# Altium PCB hand_main_board_v2.PcbDoc (part 3 of 4)
Units mil, origin at the board's own origin, x right, y up, seen from the top; angles counter-clockwise.
Board outline 2790.09 x 2362.2 mil, 6 copper layers (Top Layer, GND02, 03, 04, PWR05, Bottom Layer), stack 32.112 mil thick; 213 components, 153 nets, 785 pads, 872 vias.
Unrouted connection lines stored in the file: 240.
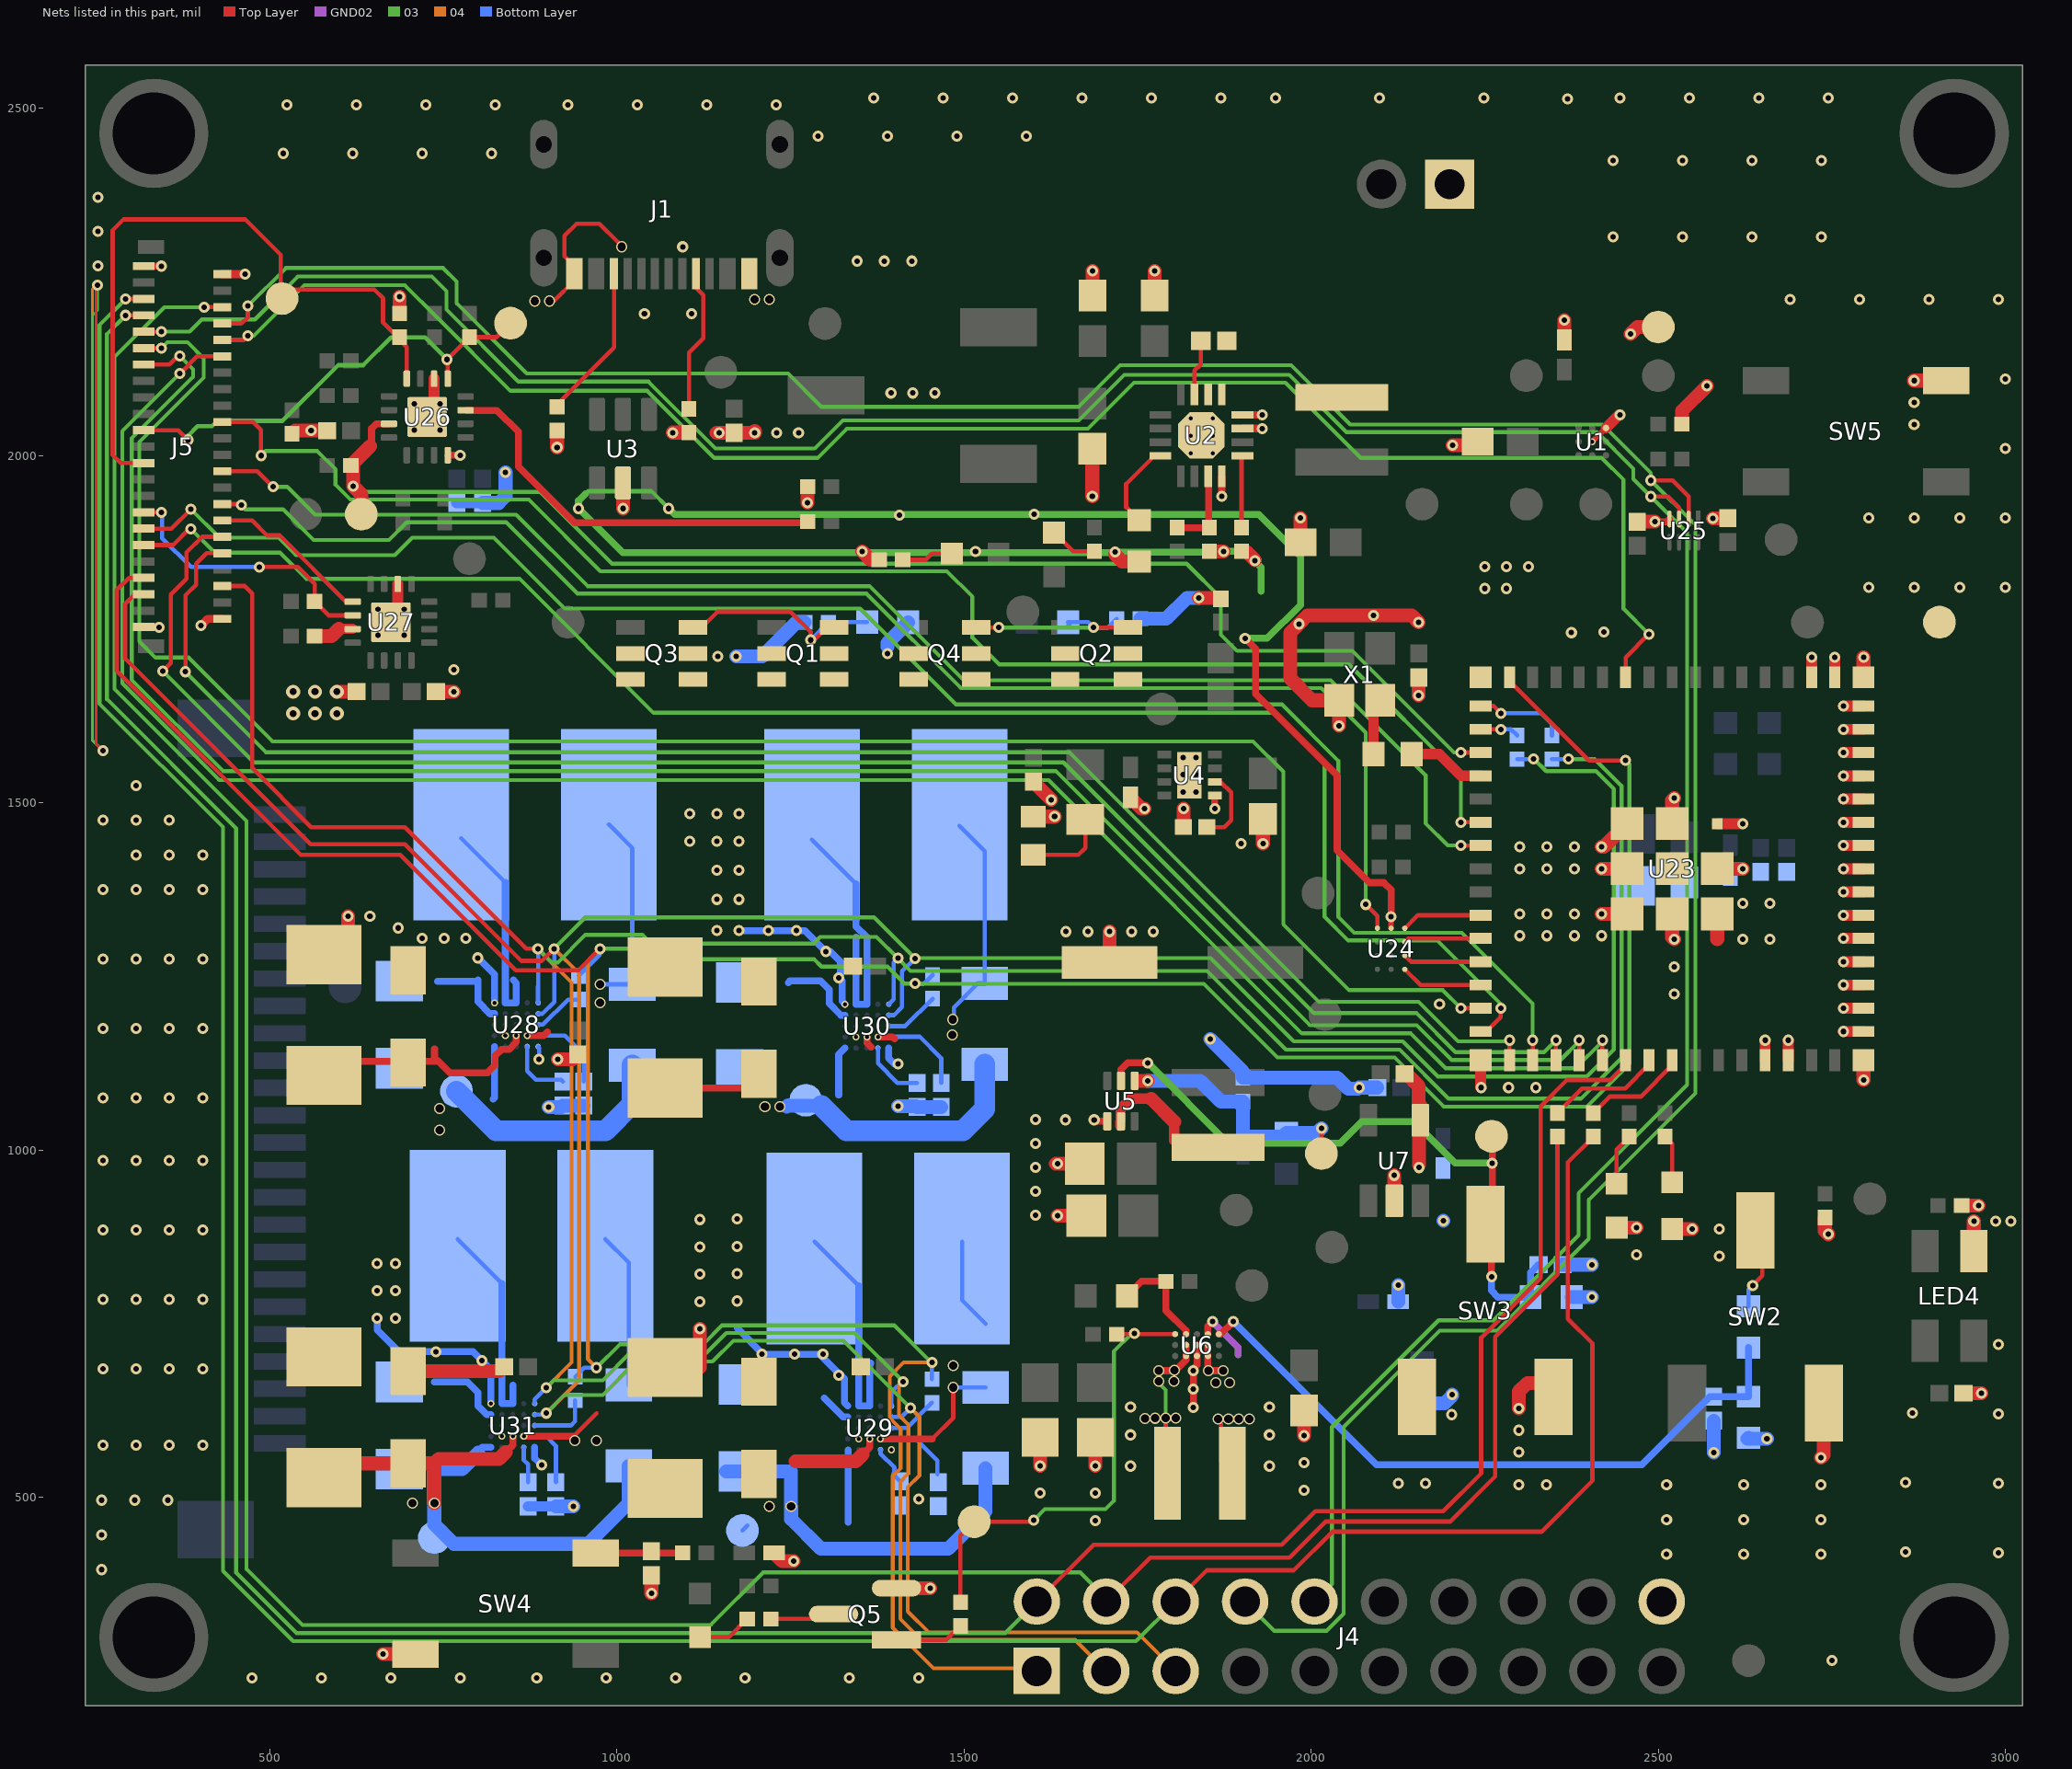
[diagram p7: the nets of this part, all layers, seen from the top]

## Via types
v1: diameter 16, hole 8, Top Layer to Bottom Layer, tented both sides, 757 vias
v2: diameter 10, hole 6, Top Layer to Bottom Layer, tented both sides, 56 vias
v3: diameter 16, hole 12, Top Layer to Bottom Layer, tented both sides, 42 vias
v4: diameter 19.68, hole 7.87, Top Layer to Bottom Layer, 8 vias
v5: diameter 20, hole 10, Top Layer to Bottom Layer, tented both sides, 6 vias
v6: diameter 12, hole 6, Top Layer to Bottom Layer, 2 vias
v7: diameter 16, hole 8, Top Layer to Bottom Layer, 1 vias

## Nets (pads, with @x,y where several pads share a name; then routed paths per layer and width w, separated by ;. In a path a pad name is that pad's centre, name@x,y a point inside that pad or via, vN(x,y) a via of type N, cw(c..) or ccw(c..) an arc to the next point about the centre after c; other vN are vias at no path point) (continued)
FPC_CH101_4_INT: J5.16 U24.D3 | length 2095.7
  Top Layer w6.16: J5.16@430,1930 456.97,1930 456.97,1928.57 457.07,1928.47 v1(459.44,1928.47) ; v1(2078.78,1353.62) 2095.63,1336.78 U24.D3@2095.63,1319.37
  03 w5.61: v1(459.44,1928.47) 465.34,1922.57 519.42,1922.57 563.64,1878.35 672.09,1878.35 697.56,1903.82 841.18,1903.82 943.8,1801.2 1359.74,1801.2 1495.76,1665.19 2014.81,1665.19 2078.78,1601.22 v1(2078.78,1353.62)
FPC_CH101_4_PROG: J5.14 U27.9 | length 236.5
  Top Layer w6.16: J5.14@431.91,1906.57 475,1906.57 496.57,1885 515,1885 610.47,1789.53 U27.9@619.88,1789.53
FPC_CH101_4_RESET: J5.15 R59.1 U27.10 | length 398.6
  Top Layer w6.16: J5.15@318.72,1918.38 v1(344.26,1918.38) ; v1(485.29,1839.44) 540.56,1839.44 565,1815 R59.1@565,1790 585.16,1769.84 U27.10@619.88,1769.84
  Bottom Layer w6.16: v1(344.26,1918.38) 345.48,1917.15 345.48,1880.84 386.88,1839.44 v1(485.29,1839.44)
FPC_CH101_SCL: J4.8 J5.38 U25.2 | length 4483.2
  Top Layer w6.16: J5.38@431.91,2190.03 459.42,2190.03 468.88,2199.49 v1(468.88,2215.31) ; v1(2489.44,1964.14) 2520.86,1964.14 2543.78,1941.22 U25.2@2543.78,1908.63
  03 w5.61: v1(468.88,2215.31) 523.57,2270 750,2270 769.38,2250.62 769.38,2219.23 870.48,2118.13 1246.87,2118.13 1295,2070 1665,2070 1725,2130 1971.31,2130 2056.54,2044.77 2419.56,2044.77 2489.44,1974.89 v1(2489.44,1964.14) 2553.43,1900.15 2553.43,1081.71 2400,928.28 2400,872.05 2267.95,740 2185.48,740 2046.8,601.32 2046.8,332.45 2022.28,307.92 1947.08,307.92 J4.8@1905,350
FPC_CH101_SDA: J4.10 J5.37 U25.3 | length 4391.8
  Top Layer w6.16: J5.37@318.72,2178.22 v1(344.51,2178.22) ; v1(2489.44,1940.97) 2514.03,1940.97 2530,1925 U25.3@2530,1908.63
  03 w5.61: v1(344.51,2178.22) 385,2178.22 402.77,2195.98 479.02,2195.98 540.81,2257.77 733.77,2257.77 755,2236.55 755,2210 858.61,2106.39 1045.87,2106.39 1142.26,2010 1285.18,2010 1325.72,2050.54 1665.54,2050.54 1731.06,2116.06 1968.58,2116.06 2050.99,2033.65 2411.62,2033.66 2464.2,1981.07 2464.2,1966.2 v1(2489.44,1940.97) 2541.54,1888.87 2541.54,1093.96 2385.43,937.85 2385.43,877.48 2262.95,755 2183.74,755 2030.02,601.28 2030.02,375.02 J4.10@2005,350
FPC_KX132_1_CS: J5.36 U23.10 | length 2570.1
  Top Layer w6.16: J5.36@431.91,2166.41 462.81,2166.41 v1(468.88,2172.48) ; U23.10@2453.11,1680.63 2453.11,1709.38 v1(2486.57,1742.84)
  03 w5.61: v1(468.88,2172.48) 477.48,2172.48 550.13,2245.13 694.87,2245.13 740,2200 846.87,2093.13 1044,2093.13 1140.64,1996.48 1289.33,1996.48 1331.53,2038.68 1678.68,2038.68 1745,2105 1963.18,2105 2071.6,1996.57 2418.56,1996.57 2450,1965.13 2450,1779.42 v1(2486.57,1742.84)
FPC_KX132_1_INT1: J5.35 U23.29 | length 2825
  Top Layer w6.16: J5.35@318.72,2154.6 v1(344.51,2154.6) ; v1(2215.7,1204.25) U23.29@2244.45,1204.25
  03 w5.61: v1(344.51,2154.6) 353.02,2163.11 381.89,2163.11 405.28,2139.72 405.28,2112.06 312.58,2019.36 312.58,1732.42 335.93,1709.07 383.82,1709.07 504.38,1588.51 1916.49,1588.51 1960,1545 1960,1325 2054.71,1230.29 2189.67,1230.29 v1(2215.7,1204.25)
FPC_KX132_2_CS: J5.34 U23.35 | length 2958.9
  Top Layer w6.16: v1(370.99,2117.99) 395.78,2142.79 J5.34@431.91,2142.79 ; U23.35@2419.65,1129.45 v1(2419.65,1158.2)
  03 w5.61: v1(370.99,2117.99) 288.14,2035.14 288.14,1672.16 427.55,1532.75 1622.14,1532.75 1986.89,1168 2143.6,1168 2193.86,1117.74 2380.75,1117.74 2419.65,1156.64 v1(2419.65,1158.2)
FPC_KX132_2_INT1: J5.33 U23.34 | length 2920.8
  Top Layer w6.16: J5.33@318.72,2130.98 355.98,2130.98 v1@370,2145 ; U23.34@2386.18,1129.45 v1(2386.18,1158.2)
  03 w5.61: v1(370.77,2143.43) 390,2124.2 390,2113.26 301.51,2024.77 301.51,1677.28 433.04,1545.75 1632.41,1545.75 1998.38,1179.79 2152.21,1179.79 2202.33,1129.66 2359.21,1129.66 2386.18,1156.64 v1(2386.18,1158.2)
FPC_KX132_3_CS: J5.12 U23.33 | length 2515.5
  Top Layer w6.16: v1(346.11,1689.54) 358.05,1701.48 358.05,1800 380.5,1822.45 380.5,1860.5 402.95,1882.95 J5.12@431.91,1882.95 ; U23.33@2352.72,1129.45 v1(2352.72,1158.2)
  03 w5.61: v1(346.11,1689.54) 477.51,1558.14 1643.3,1558.14 2004.28,1197.15 2152.01,1197.15 2208.08,1141.09 2335.61,1141.09 v1(2352.72,1158.2)
FPC_KX132_3_INT1: J5.13 U23.32 | length 2541
  Top Layer w6.16: J5.13@318.72,1894.76 358.85,1894.76 v1(386.86,1922.76) ; U23.32@2319.25,1129.45 v1(2319.25,1158.2)
  03 w5.61: v1(386.86,1922.76) 428.09,1881.53 513.15,1881.53 538.18,1856.5 680.39,1856.5 705.65,1881.75 823.25,1881.75 925.3,1779.7 1350.6,1779.7 1488.74,1641.56 1958.3,1641.56 2039.19,1560.67 2039.19,1335.81 2062.14,1312.86 2217.14,1312.86 2319.25,1210.75 v1(2319.25,1158.2)
FPC_KX132_4_CS: J5.10 U23.31 | length 2362.4
  Top Layer w6.16: v1(378.9,1688.71) 378.9,1798.9 394.11,1814.11 394.11,1844.11 409.32,1859.32 J5.10@431.91,1859.32 ; U23.31@2285.79,1129.45 v1(2285.79,1158.2)
  03 w5.61: v1(378.9,1688.71) 494.71,1572.9 1651.81,1572.9 2011.1,1213.6 2154.88,1213.6 2211.79,1156.69 2284.28,1156.69 v1(2285.79,1158.2)
FPC_KX132_4_INT1: J5.11 U23.30 | length 2431.5
  Top Layer w6.16: J5.11@318.72,1871.13 361.13,1871.13 v1@385,1895 ; U23.30@2244.45,1170.79 2252.68,1170.79 2273.2,1191.3 v1(2273.2,1204.25)
  03 w5.61: v1(386.86,1894.31) 420.98,1860.19 515.19,1860.19 552.84,1822.54 860.23,1822.54 1053.15,1629.62 1946.52,1629.62 2019.39,1556.75 2019.39,1335.89 2053.51,1301.77 2181.85,1301.77 2273.2,1210.43 v1(2273.2,1204.25)
FPC_SPI2_SCLK: J4.3 J5.6 R41.1 U28.E5 U29.E5 U30.E5 U31.E5 | length 5214.8
  Top Layer w6.16: J5.6@431.91,1812.08 464.4,1812.08 475,1801.47 475,1550 560,1465 695,1465 870.08,1289.92 v1(886.41,1289.92)
  03 w5.61: v1(886.41,1289.92) 906.33,1270 915,1270 955,1310 1037.24,1310 1050,1297.24 1283.24,1297.24 1293,1307 1374.17,1307 v1(1405,1276.18) 1423.13,1258.04 1447.5,1258.04 1850.33,1258.03 1963.81,1144.56 2127.71,1144.56 2198.24,1074.02 2388.65,1074.02 2447.24,1132.61 2447.24,1524.28 2408.6,1562.92 v1(2370.63,1562.92) ; v1(898.42,657.64) 909.3,668.53 980,668.53 1019.96,708.49 1129.56,708.49 1157.89,736.81 1342.49,736.81 v1(1412.78,666.53)
  04 w5.61: v1(886.41,1289.92) 935,1241.33 935,694.22 v1(898.42,657.64) ; v1(1412.78,666.53) 1406.39,660.14 1406.39,618.56 1420,604.96 1420,534.18 1408.39,522.57 1408.39,325.01 1438.87,294.53 1660.47,294.53 J4.3@1705,250
  Bottom Layer w6.16: U31.E5@881.94,635 881.94,641.16 v1(898.42,657.64) ; 886.41,1235.49 886.41,1212.55 U28.E5@886.94,1212.02 886.94,1289.39 v1(886.41,1289.92) ; U30.E5@1391.94,1210 1399,1217.06 1399,1270.18 v1(1405,1276.18) ; U29.E5@1395.75,631.5 1395.75,651.5 v1@1412.78,668.53 ; R41.1@2347,1562.92 v1(2370.63,1562.92)
FPC_SPI2_SDI: J4.5 J5.5 R36.1 U28.D5 U29.D5 U30.D5 U31.D5 | length 5402.1
  Top Layer w6.16: J5.5@318.72,1800.27 305.88,1800.27 292.1,1786.49 292.1,1707.52 559.4,1440.22 694.74,1440.22 862.55,1272.42 892.5,1272.42 v1(910,1289.92)
  03 w5.61: v1(898.42,621.2) 924.58,647.37 980,647.37 1028.12,695.49 1138,695.49 1168.08,725.56 1326.28,725.56 v1(1423.21,628.63) ; v1(910,1289.92) 955.06,1334.98 1370.57,1334.98 v1(1430,1275.55) 1430.83,1276.38 1855.25,1276.38 1975.09,1156.54 2132.07,1156.54 2182.78,1105.82 2397.29,1105.82 2436,1144.53 2436,1519.93 2410.3,1545.62 2338.57,1545.62 2321.27,1562.92 v1(2320.37,1562.92)
  04 w5.61: v1(898.42,621.2) 946.08,668.87 946.08,1253.84 v1(910,1289.92) ; v1(1423.21,628.63) 1436,615.84 1436,531.49 1419.21,514.69 1419.21,335.79 1449.4,305.6 1749.4,305.6 J4.5@1805,250
  Bottom Layer w6.16: U31.D5@881.94,619.26 896.47,619.26 v1(898.42,621.2) ; U28.D5@886.94,1196.27 892.99,1196.27 910,1213.28 v1(910,1289.92) ; U30.D5@1391.94,1194.26 1399.26,1194.26 1411,1206 1411,1257.41 1429.14,1275.55 v1(1430,1275.55) ; U29.D5@1395.75,615.75 1410.33,615.75 v1(1423.21,628.63) ; R36.1@2296.74,1562.92 v1(2320.37,1562.92)
FPC_SPI2_SDO: J4.1 J5.7 R62.1 R63.1 R66.1 R67.1 U23.15 | length 5274.1
  Top Layer w6.16: J5.7@318.72,1823.89 297.51,1823.89 280,1806.37 280,1690 545,1425 688.42,1425 854.49,1258.93 944.95,1258.93 v1(975.94,1289.92) ; U23.15@2285.79,1680.63 2285.79,1675.55 2400.34,1561 v1(2453.11,1561)
  03 w5.61: v1(970.94,686.73) 1004.6,720.38 1124.56,720.38 1151.74,747.56 1399.94,747.56 1453.11,694.39 v1(1454.04,694.39) ; v1(975.94,1289.92) 1020,1289.92 1035,1274.92 1284.22,1274.92 1295,1264.14 1389.86,1264.14 1414.2,1239.8 v1(1430,1239.8) ; v1@1430.29,1239.51 1845.58,1239.51 1951.72,1133.37 2120.31,1133.37 2191.07,1062.61 2397.24,1062.61 2458.59,1123.96 2458.59,1555.52 v1(2453.11,1561)
  04 w5.61: v1(970.94,686.73) 958.44,699.23 958.44,1272.42 v1(975.94,1289.92) ; v1(1454.04,694.39) 1413.39,694.39 1393.2,674.2 1393.2,614.03 1409,598.23 1409,542.18 1397.49,530.67 1397.49,312.51 1456.11,253.89 1601.11,253.89 J4.1@1605,250
  Bottom Layer w6.16: R67.1@940.5,673.77 953.46,686.73 v1(970.94,686.73) ; R62.1@945.23,1250.78 975.94,1281.5 v1(975.94,1289.92) ; v1(1430,1239.8) 1442.76,1239.8 R66.1@1455,1252.04 ; R63.1@1454.04,670.26 v1(1454.04,694.39)
FPC_SPI3_SCLK: J4.4 J5.40 R46.2 | length 4493.1
  Top Layer w6.16: v1(406.11,2213.65) J5.40@431.91,2213.65 ; J4.4@1705,350 1768.37,413.37 1969.12,413.37 2020.85,465.11 2200.03,465.11 2265,530.08 2265,731.01 2354.91,820.92 R46.2@2354.91,1019.3
  03 w5.61: v1(406.11,2213.65) 348.65,2213.65 276.79,2141.79 276.79,1664 467,1473.79 467,396.8 547.56,316.24 1135.24,316.24 1210.88,391.88 1667.77,391.88 J4.4@1708.71,350.94
FPC_SPI3_SDI: J4.6 J5.41 R47.2 | length 4581.6
  Top Layer w6.16: v1(292.92,2225.47) J5.41@318.72,2225.47 ; J4.6@1805,350 1850,395 1975,395 2030.53,450.53 2331.75,450.53 2405.22,524 2405.22,721.64 2369.69,757.18 2369.69,982.38 R47.2@2406.61,1019.3
  03 w5.61: v1(292.92,2225.47) 255.15,2187.7 255.15,1642.85 433,1465 433,394.06 534.12,292.94 1747.94,292.94 J4.6@1805,350
FPC_SPI3_SDO: J4.2 J5.39 U23.36 | length 4566.1
  Top Layer w6.16: v1(292.92,2201.85) J5.39@318.72,2201.84 ; J4.2@1605,350 1686.76,431.76 1957.97,431.76 2006.43,480.22 2190.48,480.22 2245,534.73 2245,730 2330.64,815.64 2330.64,1063.05 2368.56,1100.96 2430.96,1100.96 2453.11,1123.11 U23.36@2453.11,1129.45
  03 w5.61: v1(292.92,2201.85) 265.97,2174.89 265.97,1649.03 452,1463 452,391.66 539.12,304.54 1559.54,304.54 J4.2@1605,350
FPC_VL53L1X_1_GPIO1: J5.26 U23.21 | length 2164.8
  Top Layer w6.16: J5.26@431.91,2048.3 476.7,2048.3 487.85,2037.15 v1(487.85,1999.92) ; v1(2215.7,1471.97) U23.21@2244.45,1471.97
  03 w5.61: v1(487.85,1999.92) 494.35,2006.42 568.86,2006.42 595.14,1980.14 595.14,1957.86 616.51,1936.49 873.37,1936.49 976.41,1833.45 1475.57,1833.45 1512.31,1796.71 1512.31,1737.69 1550.78,1699.22 2054.5,1699.22 2215.7,1538.01 v1(2215.7,1471.97)
FPC_VL53L1X_1_XSHUT: J5.25 R61.2 TP31.TP? U26.5 | length 661.9
  Top Layer w6.16: J5.25@318.72,2036.49 368.74,2036.49 v1(382.83,2022.39) ; U26.5@756.76,2110.65 756.76,2137.33 v1(755.77,2138.32) R61.2@787.75,2170.31 ; R61.2@787.75,2170.53 827.23,2170.53 TP31.TP?@847.23,2190.53
  03 w6.16: v1(382.83,2022.39) 382.83,2028.69 396.34,2042.2 417.2,2042.2 425,2050 518.79,2050 598.79,2130 635,2130 675,2170 724.09,2170 v1(755.77,2138.32)
FPC_VL53L1X_2_GPIO1: J5.20 U23.22 | length 2076.3
  Top Layer w6.16: J5.20@431.91,1977.43 482.57,1977.43 v1(505,1955) ; v1(2215.7,1438.5) U23.22@2244.45,1438.5
  03 w5.61: v1(505,1955) 525.49,1955 565.76,1914.74 855.26,1914.74 958.05,1811.95 1364.32,1811.95 1500,1676.26 2028.31,1676.26 2165,1539.57 2165,1470.42 2196.91,1438.5 v1(2215.7,1438.5)
FPC_VL53L1X_2_XSHUT: J5.21 R57.2 TP29.TP? U26.8 | length 992.1
  Top Layer w6.16: J5.21@318.72,1989.24 285.76,1989.24 274.18,2000.82 274.18,2324.28 289.89,2340 465,2340 516,2289 516,2228 527.06,2239.06 650.94,2239.06 663.58,2226.42 663.58,2191.58 684.63,2170.53 R57.2@687.23,2170.53 687.23,2166.71 697.71,2156.24 U26.8@697.71,2110.65
GND: C1.2 C2.2 C3.1 C5.2 C6.1 C7.2 C8.1 C9.2 C10.1 C11.1 C12.1 C13.2 C14.2 C15.2 C16.1 C17.2 C18.2 C20.1 C21.1 C22.1 C23.1 C24.1 C25.1 C48.1 C49.2 C50.2 C51.1 C53.1 C54.1 C55.1 C56.1 C57.1 C58.2 C59.2 C60.2 C61.1 C62.2 C63.2 C64.2 C65.2 C66.1 C67.2 C68.2 C69.1 C70.1 C71.1 C72.1 C75.1 C76.1 C77.2 C78.2 C79.1 C80.1 C81.1 C82.1 C85.1 C86.1 D1.2 D2.2 D3.2 D4.2 J1.A1B12 J1.B1A12 J2.1 J4.20 J5.1 J5.2 J5.44 J5.45 LED4.3 LED5.1 LED6.2 NT1.2 Q5.2 R1.1 R2.1 R4.1 R5.1 R7.2 R8.1 R11.1 R12.1 R15.1 R16.1 R20.2 R21.1 R23.1 R37.1 R38.1 R50.1 R57.1 SW2.3 SW3.3 SW4.3 SW5.3 TP6.TP? TP43.TP? U1.B2 U1.C1 U2.8 U2.11 U2.12 U2.17 U3.2 U4.5 U4.9 U5.4 U6.B1 U6.C2 U6.C3 U7.2 U7.4 U23.1 U23.2 U23.42 U23.43 U23.46 U23.47 U23.48 U23.49 U23.50 U23.51 U23.52 U23.53 U23.54 U23.55 U23.56 U23.57 U23.58 U23.59 U23.60 U23.61 U23.61_1 U23.61_2 U23.61_3 U23.61_4 U23.61_5 U23.61_6 U23.61_7 U23.61_8 U23.62 U23.63 U23.64 U23.65 U24.D2 U25.4 U26.6 U26.16 U26.17 U27.6 U27.17 U28.A5 U28.B2 U28.E1 U29.A5 U29.B2 U29.E1 U30.A5 U30.B2 U30.E1 U31.A5 U31.B2 U31.E1 X1.2 | length 11900.3
  Top Layer w4: v1(252.28,2245.39) 250.39,2245.39 250.39,1584.61 v1(260,1575)
  Top Layer w6: v3(903.35,2222.38) 909.55,2222.38 939.02,2251.84 J1.B1A12@939.02,2261.99 939.02,2272.92 925,2286.94 925,2316.55 942.25,2333.8 975.2,2333.8 1002,2307
  Top Layer w7.7: U24.D2@2115.32,1319.37 v1(2115.32,1336.22)
  Top Layer w8: v2(2405,2019.99) U1.C1@2424.68,2039.69
  Top Layer w10: J5.45@318.72,2272.71 v1(344.51,2272.71) ; U26.16@756.76,2000.41 v1(774.49,2000.41) ; v1@1687.68,1041.49 U5.4@1706.58,1041.49 ; C22.1@1689.46,586.26 C22.1@1691.26,586.26 ; v1@1829.57,682.42 1829.57,684.61 1835.75,690.78 U6.C3@1835.75,703.56 U6.C2@1835.75,719.31 ; v1(1830.57,629.42) v1(1830.57,682.42) ; U6.B1@1851.5,735.06 1851.5,746.5 v1(1858,753) ; v1(1861.42,1491.8) U4.5@1861.42,1510.31 ; v1(1904.9,1736.71) 1920,1721.61 1920,1657.01 2037.4,1539.61 2037.4,1432.03 2084.43,1385 2105,1385 2115.32,1374.69 v1(2115.32,1336.22) ; C17.2@1976.5,638.39 C17.2@1990,624.88 ; v1(2495.2,1904.65) 2512.23,1904.65 U25.4@2516.22,1908.63
  Top Layer w11.02: v1(1871.53,1941.22) U2.8@1871.53,1969.96 ; U2.11@1901.06,2038.86 v1(1929.81,2038.86) ; U2.12@1901.06,2058.54 v1(1929.81,2058.54)
  Top Layer w11.81: J5.1@318.72,1753.02 340.35,1753.02 v1(341,1752.37) ; v1(401.5,1755.17) 411.17,1764.84 J5.2@431.91,1764.84 ; J5.44@431.91,2260.9 464.4,2260.9 v1(464.64,2261.14)
  Top Layer w15.75: U27.17@675,1760 684.84,1769.84 U27.6@684.84,1815.12 ; U26.17@727.23,2055.53 737.08,2065.37 U26.6@737.08,2110.65 ; U23.64@2244.45,1129.45 2244.45,1090.55 v1(2245,1090) ; U1.C1@2424.68,2039.69 2443.32,2058.32 v1(2445.19,2058.32) ; U23.61_1@2585,1470 v1(2621.62,1470) ; U23.42@2653.9,1129.45 v1(2653.9,1158.2) ; U23.43@2687.36,1129.45 v1(2687.36,1158.2) ; U23.2@2720.83,1680.63 v1(2720.83,1709.38) ; U23.1@2754.29,1680.63 v1(2754.29,1709.38) ; v1(2766.88,1170.79) U23.46@2795.63,1170.79 ; v1(2766.88,1204.25) U23.47@2795.63,1204.25 ; v1(2766.88,1237.72) U23.48@2795.63,1237.72 ; v1(2766.88,1271.18) U23.49@2795.63,1271.18 ; v1(2766.88,1304.65) U23.50@2795.63,1304.65 ; v1(2766.88,1338.11) U23.51@2795.63,1338.11 ; v1(2766.88,1371.57) U23.52@2795.63,1371.57 ; v1(2766.88,1405.04) U23.53@2795.63,1405.04 ; v1(2766.88,1438.5) U23.54@2795.63,1438.5 ; v1(2766.88,1471.97) U23.55@2795.63,1471.97 ; v1(2766.88,1505.43) U23.56@2795.63,1505.43 ; v1(2766.88,1538.9) U23.57@2795.63,1538.9 ; v1(2766.88,1572.36) U23.58@2795.63,1572.36 ; v1(2766.88,1605.83) U23.59@2795.63,1605.83 ; v1(2766.88,1639.29) U23.60@2795.63,1639.29
  Top Layer w20: R50.1@532.23,2031.17 536.86,2035.79 C66.1@582.87,2035.79 v1(559.86,2035.79) ; v5@597.36,1660 C65.2@625.35,1660 ; D2.2@613.17,1279.36 v1(613.17,1336.86) ; v1(663.7,274.31) SW4.3@710.16,274.31 ; R57.1@687.23,2204.61 v1(687.23,2228.75) ; C78.2@699.43,681.73 831.29,681.73 C82.1@837.78,688.22 ; C63.2@739.65,1660 v1(765.64,1660) ; v1(914.17,2011.78) R5.1@914.17,2035.92 ; v1(915,1130.59) 937.09,1130.59 C71.1@944.17,1137.68 ; v1(1009.17,1923.77) U3.2@1009.17,1960.59 ; v1(1050,361.69) C50.2@1050,387.68 ; v1(1080.54,2032.96) R4.1@1104.17,2032.96 ; D1.2@1120,687.01 v1(1120,742.51) ; v1@1143.97,2032.68 C6.1@1169.17,2032.68 1198.61,2032.68 v1(1198.89,2032.96) ; v1@1197.71,2034.14 v1@1198.89,2035.32 ; C49.2@1226.46,420 1238.46,408 v1(1255.01,408) ; v1(1274.89,1932.18) 1275,1932.29 R11.1@1275,1955 ; v1(1353.83,1861.76) 1365.59,1850 R12.1@1377.96,1850 ; Q5.2@1403.06,369.35 v1(1451.59,369.35) ; C11.1@1600,1480.12 v1(1630.72,1480.12) ; C10.1@1600,1530.35 1625.72,1504.64 v1(1625.72,1504.36) ; v1(1610,545.5) C23.1@1610,586.26 ; v1@1632.32,980.63 C20.1@1673.86,980.63 ; v1(1634.92,905.63) C21.1@1676.46,905.63 ; v1(1685,1941.22) C2.2@1685,2009.88 ; C1.2@1685.18,2230.1 v1(1685.18,2265.9) ; v1(1689.46,545.5) C22.1@1689.46,586.26 ; C14.2@1709.77,1270 1709.77,1314.37 v1(1709.95,1314.55) ; v1@1717.55,1857.97 1728.12,1847.41 R1.1@1752.48,1847.41 ; C12.1@1740,1507.71 1755.91,1491.8 v1(1760,1491.8) ; C3.1@1775,2230.12 v1(1775,2265.92) ; C13.2@1816.25,1465 v1(1816.25,1491.8) ; v1(1838.23,1795) 1868.75,1795 C9.2@1870,1793.75 ; R7.2@1853.74,1862.07 1873.78,1862.07 v1(1873.9,1861.94) ; R8.1@1900,1862.07 1906.65,1862.07 v1@1919.21,1849.51 ; v1(1930.75,1441.21) C15.2@1930.75,1477.01 ; C7.2@1984.88,1875 v1(1984.88,1910) ; v1(1990,589.08) C17.2@1990,624.88 ; v1(2040.47,1610.98) X1.2@2040.47,1647.6 2001.29,1647.6 1970,1678.89 1970,1745 v1(1982.5,1757.5) 1995,1770 v1(2090,1770) 2145,1770 v1(2155,1760) ; U7.2@2120,926.93 v1(2120,963.55) ; C55.1@2134.65,1110 2137.4,1110 2155,1092.4 2155,1066.69 2157.4,1064.29 U7.4@2157.4,1043.07 2155,1040.67 2155.44,1040.22 v1@2155.44,978.65 ; v1(2155,1654.36) C51.1@2155,1680.35 ; v1(2204.08,2015) 2234.88,2015 C5.2@2239.88,2020 ; v1(2299.44,628.09) 2299.43,652.52 2311.69,664.78 SW3.3@2359.43,664.78 ; C8.1@2365,2166.46 v1(2365,2195.01) ; v1(2418.46,1340.08) U23.61_5@2455.08,1340.08 ; v1(2418.46,1405.04) U23.61_6@2455.08,1405.04 ; v1(2418.46,1436.54) 2421.62,1436.54 U23.61_7@2455.08,1470 ; LED5.1@2440.14,888.53 v1(2468.88,888.53) ; v1(2460,2175) 2470,2185 TP6.TP?@2500,2185 ; C58.2@2470,1904.65 v1(2495.2,1904.65) ; LED6.2@2520,886.5 v1(2548.75,886.5) ; U23.61_4@2520.04,1340.08 2520.04,1306.46 v1(2523.04,1303.46) ; U23.61_8@2520.04,1470 2520.04,1503.62 v1(2523.04,1506.62) ; R2.1@2534.08,2045 2534.08,2064.08 v1(2570,2100) ; v1(2578.54,1909.41) 2599.41,1909.41 C54.1@2600,1910 ; 2585,1303.46 U23.61_3@2585,1340.08 ; U23.61_2@2585,1405.04 v1(2621.62,1405.04) ; v1(2734.43,557.3) 2738.42,561.29 SW2.3@2738.42,635.78 ; R37.1@2740,902.96 2740,883.82 v1(2745,878.82) ; SW2.3@2748.42,635.78 SW2.3@2748.42,655.78 ; v1(2795.63,1100.7) U23.65@2795.63,1129.45 ; U23.62@2795.63,1680.63 v1(2795.63,1709.38) ; v1(2868.46,2107.84) SW5.3@2914.92,2107.84 ; R38.1@2937.04,920 v1(2961.17,920) ; C48.1@2939.65,650 v1(2965.64,650) ; LED4.3@2954.54,854.47 v1(2954.54,897.88)
  GND02 w10: v1(1858,753) 1895,716 1895,705
  03 w4: v1(252.28,2245.39) 252.28,2208.97 244.94,2201.63 244.94,1590.06 v1(260,1575)
  03 w6: 955,1945 958.59,1948.59 1050.18,1948.59 v1(1075,1923.77)
  03 w10: 955,1945 945,1935 v1(945,1923.77) 1008.77,1860 1717.55,1860 1718.46,1860.91 1872.87,1860.91 v1(1873.9,1861.94) 1904.74,1861.94 1927.85,1838.84 1927.85,1804.27 ; v1(1075,1923.77) 1083.77,1915 1925,1915 1984.88,1855.12 1984.88,1784.88 1936.71,1736.71 v1(1904.9,1736.71)
  04 w4: v1(252.28,2245.39) 250.39,2245.39 244.94,2239.94 244.94,1590.06 v1(260,1575)
  Bottom Layer w4: v1(252.28,2245.39) 250.39,2245.39 244.94,2239.94 244.94,1590.06 v1(260,1575)
  Bottom Layer w6: U28.A5@886.94,1149.03 888.24,1147.73 v1(888.24,1130.59)
  Bottom Layer w10: v1(655,757.85) 655,741 686.19,709.81 793.19,709.81 818.95,684.05 v2(818.95,635) ; v1(800,1276.71) 823.95,1252.77 v2(823.95,1212.02) ; U31.A5@881.94,572.01 881.94,556.59 v1(891.94,546.59) ; 1173.51,743.37 1210.88,706 1292.51,706 1319.65,678.86 v1(1319.65,675.8) 1322.71,675.8 1328,670.51 1328,636.25 U29.E1@1332.76,631.5 ; v1(1175.96,1315.9) v1(1218.56,1315.9) v1(1259.1,1315.9) 1271.1,1315.9 v1(1301,1286) 1307.59,1286 1322,1271.59 1322,1250.42 v1(1319.79,1248.2) 1324.57,1243.42 1324.57,1214.39 v2(1328.95,1210) ; U30.A5@1391.94,1147.01 1391.94,1132.44 1400.46,1123.93 v1(1405.46,1123.93)
  Bottom Layer w15: C86.1@872.43,487.08 C80.1@912.43,487.08
  Bottom Layer w15.75: C64.2@769.6,1931.75 C62.2@807.01,1931.75
  Bottom Layer w20: C62.2@807.01,1931.75 830.16,1931.75 839.96,1941.55 v1(839.96,1975.6) ; v1(902.22,1062) 920.33,1062 C75.1@922.43,1064.1 C69.1@952.43,1064.1 ; C80.1@912.43,487.08 v1(937.63,487.08) ; v1(1172.03,1711) 1210,1711 1259,1760 R15.1@1270.92,1760 ; v1(1405.46,1063.27) 1431.24,1063.27 C85.1@1432.43,1062.08 C79.1@1467.43,1062.08 ; R16.1@1754.08,1765 1791.46,1765 1821.46,1795 v1(1838.23,1795) ; v1(1855,1160) 1902,1113 R23.1@1902,1104.08 2037.7,1104.08 2053.55,1088.24 2067.6,1088.24 v1(2069.36,1090) C59.2@2095.35,1090 ; C24.1@2125.52,781.93 v1(2125.52,805.56) ; v1@2190.42,898.07 v1(2190.46,898.11) ; C18.2@2362.32,835 v1(2404.32,835) ; R21.1@2375.44,788.31 v1(2404.32,788.31) ; v1(2580,564.36) C16.1@2580,610.35 ; R20.2@2630,585.68 2628.68,584.36 v1(2656.49,584.36)
  other v1: 475,240 575,240 675,240 775,240 885,240 985,240 1085,240 1185,240 1335,240 1435,240 2750,265 258,396 2512.09,417.93 2623.26,417.93 2734.43,417.93 2990,420 2855.93,421.68 258,446 1689.46,466.76 2512.09,467.96 2623.26,467.96 2734.43,467.96 258,496 305.91,496 353.83,496 1435.11,497.55 1610,506.13 1689.46,506.13 1990,510.34 2299.43,517.93 2338.8,517.93 2512.09,518 2623.26,518 2734.43,518 2125.63,520 2165,520 2990,520 2855.93,521.68 1740,545 1940,545 1990,549.71 2299.43,565.17 260,575 307.91,575 355.83,575 403.74,575 1740,590 1940,590 2299.43,596.67 2990,620 2865.93,621.68 1740,630 1940,630 1830.57,655.92 260,685 307.91,685 355.83,685 403.74,685 806.07,696.93 1209.35,706 1256,706 1297,706 739.69,709.81 2990,720 681.5,757.85 1120,781.88 1173.51,782.74 260,785 307.91,785 355.83,785 403.74,785 655,797.39 681.5,797.39 1120,821.25 1173.51,822.11 655,836.93 681.5,836.93 2588.12,847.13 2468.88,849.16 1120,860.62 1173.51,861.48 260,885 307.91,885 355.83,885 403.74,885 2588.12,886.5 2986.04,897.88 3007.54,897.88 1120,899.99 1173.51,900.85 1603,906 1603,940.5 1603,975 2155.44,974.82 1634.92,980.63 260,985 307.91,985 355.83,985 403.74,985 1603,1009.5 1603,1044 1646.34,1043.63 1687.68,1043.63 260,1075 307.91,1075 355.83,1075 403.74,1075 2284.37,1090 2323.74,1090 260,1175 307.91,1175 355.83,1175 403.74,1175 2185,1210 2523.04,1224.72 2523.04,1264.09 260,1275 307.91,1275 355.83,1275 403.74,1275 2621.62,1303.46 2660.99,1303.46 720,1305 751.5,1305 783,1305 2300.35,1308.58 2339.72,1308.58 2379.09,1308.58 2418.46,1308.58 1646.95,1314.55 1678.45,1314.55 1741.45,1314.55 1772.95,1314.55 1144.46,1315.9 685.36,1319.8 644.67,1336.86 2300.35,1340.08 2339.72,1340.08 2379.09,1340.08 2621.62,1355.04 2660.99,1355.04 1144.46,1360.9 1175.96,1360.9 260,1375 307.91,1375 355.83,1375 403.74,1375 1144.46,1402.9 1175.96,1402.9 2300.35,1405.04 2339.72,1405.04 2379.09,1405.04 307.91,1425 355.83,1425 403.74,1425 2300.35,1436.54 2339.72,1436.54 2379.09,1436.54 1899.25,1441.21 1105.09,1444.9 1144.46,1444.9 1175.96,1444.9 260,1475 307.91,1475 355.83,1475 1105.09,1484.27 1144.46,1484.27 1175.96,1484.27 1815.91,1515.77 1834.18,1515.77 307.91,1525 1815.91,1540.59 1834.18,1540.59 1815.91,1565.42 1834.18,1565.42 765.64,1691.5 1145.53,1711 2375,1745 2421.77,1745.7 2250,1808.5 2281.5,1808.5 2803.15,1810 2868.77,1810 2934.38,1810 3000,1810 2250,1840 2281.5,1840 2313,1840 1919.21,1848.43 1717.55,1860.97 1516.81,1861.76 2803.15,1910 2868.77,1910 2934.38,1910 3000,1910 1407.27,1914.37 1601.05,1915.35 3000,2010 1147.72,2032.68 1230.39,2032.96 1261.89,2032.96 2868.46,2044.84 2868.46,2076.34 1395,2090 1426.5,2090 1458,2090 3000,2110 1040,2203.93 1108.03,2203.93 2690,2225 2790,2225 2890,2225 2990,2225 253,2273 1346.26,2280 1385.63,2280 1425,2280 1095,2300.52 2435,2315 2535,2315 2635,2315 2735,2315 253,2322.5 253,2372 2435,2425 2535,2425 2635,2425 2735,2425 520,2435 620,2435 720,2435 820,2435 1290,2460 1390,2460 1490,2460 1590,2460 525,2505 625,2505 725,2505 825,2505 930,2505 1030,2505 1130,2505 1230,2505 2369.58,2513.45 1370,2515 1470,2515 1570,2515 1670,2515 1770,2515 1870,2515 1948.74,2515 2098.74,2515 2248.74,2515 2445,2515 2545,2515 2645,2515 2745,2515
  other v2: 1395.75,568.5 1348.5,584.25 834.7,587.76 1344.7,1162.76 839.7,1164.78 1826.72,2003.31 1858.22,2003.31 1826.72,2028.4 1858.22,2028.4 1826.72,2053.49 1858.22,2053.49
  other v3: 881.85,2222.38 1198.5,2225 1220,2225 1007.43,2300.52
  other v4: 656.3,1741.3 693.7,1741.3 656.3,1778.7 693.7,1778.7 708.53,2036.83 745.93,2036.83 708.53,2074.23 745.93,2074.23
  other v5: 534,1628.5 565.5,1628.5 597,1628.5 534,1660 565.5,1660 597,1660
NetC4_1: C4.1 U2.15 | length 80.7
  Top Layer w6.16: U2.15@1832.16,2088.07 1832.16,2122.16 1841.16,2131.16 C4.1@1841.16,2165
NetC4_2: C4.2 L1.1 U2.13 U2.14
NetC11_2: C11.2 R17.1 | length 120.3
  Top Layer w6.16: C11.2@1600,1425 1664.85,1425 1675,1435.15 R17.1@1675,1476.26
NetC13_1: C13.1 U4.6 | length 108.9
  Top Layer w6.16: C13.1@1850,1465 1875,1465 1885,1475 1885,1515 1870,1530 U4.6@1861.42,1530
NetC19_2: C19.2 R22.1 R23.2 TP16.TP? U5.1 | length 367.1
  Top Layer w6.16: TP16.TP?@2015,995 v1(2015,1031.62)
  Top Layer w20: U5.1@1751.85,1099.76 v1(1764.86,1099.76)
  Bottom Layer w20: v1(1764.86,1099.76) 1840.24,1099.76 1870,1070 R23.2@1902,1070 C19.2@1902,1019.2 1958.78,1019.2 R22.1@1964.6,1025.03 ; R22.1@1965.62,1024.89 2008.27,1024.89 v1(2015,1031.62)
NetC50_1: C50.1 R40.1 SW4.2 | length 126.9
  Top Layer w10: SW4.2@970,420 1047.68,420 C50.1@1050,422.32 1052.32,420 R40.1@1095,420
NetC52_1: C52.1 X1.3 | length 81.6
  Top Layer w15: C52.1@2089.88,1570 2089.88,1637.95 X1.3@2099.53,1647.6
NetC52_2: C52.2 U23.19 | length 112.3
  Top Layer w15: C52.2@2145,1570 2185,1570 2215.91,1539.09 2244.25,1539.09 U23.19@2244.45,1538.9
NetC67_1: C67.1 C74.2 D1.1 R65.1 TP32.TP? U29.A1 U29.B3 | length 786.1
  Top Layer w10: 1354.17,561.86 1364.25,571.94 v2(1364.25,584.25)
  Top Layer w20: 1257.58,551.78 1344.1,551.78 1354.17,561.86
  Bottom Layer w6.16: TP32.TP?@1181.08,452.29 TP32.TP?@1188.38,459.59
  Bottom Layer w10: 1333.2,464 U29.A1@1333.2,568.06
  Bottom Layer w20: C74.2@1157.3,537.3 1251.08,537.3 1251.08,486.17 1251.23,486.01 1251.23,468.77 1293.93,426.07 1477.63,426.07 1531.23,479.68 R65.1@1531.23,541.78
  other v3: 1219.73,487.01 1251.23,487.01
NetC68_1: C68.1 C73.2 D2.1 R64.1 TP33.TP? U28.A1 U28.B3 | length 744.5
  Top Layer w10: D2.1@613.17,1105.35 613.17,1114.43 626.48,1127.74 743.22,1127.74 ; 737.69,1145.91 737.69,1133.27 743.22,1127.74 ; v2(855.44,1164.78) 855.44,1155.44 845,1145 834.4,1145 825,1135.6 825,1122.19 813.83,1111.02 759.94,1111.02 743.22,1127.74
  Bottom Layer w10: 822.43,1073.74 824.07,1075.39 U28.A1@824.07,1148.91
  Bottom Layer w30: TP33.TP?@769.23,1084.82 826.29,1027.76 983.9,1027.76 1022.43,1066.3 R64.1@1022.43,1122.3
  other v3: 745,1028.5 745,1060
NetC69_2: C69.2 U28.B5 | length 115.6
  Bottom Layer w6.16: U28.B5@886.94,1164.78 925.22,1164.78 952.43,1137.57 C69.2@952.43,1098.74
NetC70_2: C70.2 U29.B5 | length 99
  Bottom Layer w6.16: U29.B5@1395.75,584.25 1430.75,584.25 1461.96,553.04 C70.2@1461.96,533.22
NetC73_1: C73.1 U28.D1 | length 119.7
  Bottom Layer w10: 742.27,1243.22 799.75,1243.22 ; 800.51,1245.16 800.51,1213.57 817.8,1196.27 U28.D1@823.95,1196.27
NetC74_1: C74.1 U29.D1 | length 44.8
  Bottom Layer w10: 1299.16,642.74 1326.15,615.75 U29.D1@1332.76,615.75
NetC75_2: C75.2 U28.A4 | length 92.7
  Bottom Layer w6.16: U28.A4@871.19,1149.03 871.19,1113.81 883.73,1101.27 919.9,1101.27 C75.2@922.43,1098.74
NetC76_2: C76.2 U29.A4 | length 57.1
  Bottom Layer w6.16: U29.A4@1380,568.5 1380,563.1 1400,543.1 1400,530.94 C76.2@1407.94,523
NetC77_1: C77.1 C83.2 D3.1 R68.1 TP36.TP? U30.A1 U30.B3 | length 581.4
  Top Layer w10: D3.1@1110,1089.38 C77.1@1224.38,1089.38 ; v2(1360.44,1162.76) 1360.44,1154.31 1366.19,1148.57
  Bottom Layer w10: 1319.76,1079.39 1319.76,1137.83 U30.A1@1328.95,1147.01
  Bottom Layer w20: 1245,1062.4 1246.35,1063.76 ; 1247.27,1064.68 1246.35,1063.76 ; 1295,1063.76 1246.35,1063.76
  Bottom Layer w30: 1295,1063.76 1330.93,1027.83 1498.57,1027.83 1530,1059.26 R68.1@1530,1123.56
  other v3: 1213.5,1062.4 1235,1062.4
NetC78_1: C78.1 C84.2 D4.1 R69.1 TP37.TP? U31.A1 U31.B3 | length 876.4
  Top Layer w10: 840.37,565.37 850.44,575.44 v2(850.44,587.76)
  Top Layer w20: D4.1@608.17,528.33 628.79,548.95 737.43,548.95 743.77,555.29 830.29,555.29 840.37,565.37 ; v3(737.42,491.71) 737.42,548.94
  Bottom Layer w10: 800.74,564.26 800.74,566.67 806.08,572.01 U31.A1@818.95,572.01
  Bottom Layer w20: 800.74,564.26 777.29,540.81 737.27,540.81 737.27,491.86 v3(737.42,491.71) 737.42,461.02 765.32,433.11 958.53,433.11 1017.43,492.01 R69.1@1017.43,545.29
  other v3: 705.92,491.71
NetC79_2: C79.2 U30.B5 | length 123.6
  Bottom Layer w6.16: U30.B5@1392.32,1163.14 1436.86,1163.14 1467.43,1132.57 C79.2@1467.43,1096.73
NetC80_2: C80.2 U31.B5 | length 88.5
  Bottom Layer w6.16: U31.B5@881.94,587.76 898.73,587.76 912.43,574.06 C80.2@912.43,521.73
NetC83_1: C83.1 U30.D1 | length 114.8
  Bottom Layer w10: 1247.27,1241.21 1249.6,1243.53 1293.91,1243.53 1306.27,1231.17 1306.27,1211.09 1323.11,1194.26 U30.D1@1328.95,1194.26
NetC84_1: C84.1 U31.D1 | length 112.1
  Bottom Layer w10: 737.27,666.21 785,666.21 ; 785,666 800.32,650.68 800.32,631.77 812.83,619.26 U31.D1@818.95,619.26
NetC85_2: C85.2 U30.A4 | length 90
  Bottom Layer w6.16: U30.A4@1376.19,1147.01 1376.19,1124.99 1404.45,1096.73 C85.2@1432.43,1096.73
NetC86_2: C86.2 U31.A4 | length 52.9
  Bottom Layer w6.16: U31.A4@866.19,572.01 866.19,553.81 872.43,547.57 C86.2@872.43,521.73
NetJ1_A5: J1.A5 R4.2 | length 208
  Top Layer w6.16: R4.2@1104.17,2067.04 1104.17,2148.21 1125,2169.03 1125,2230.85 1114.06,2241.78 J1.A5@1114.06,2261.84
NetJ1_B5: J1.B5 R5.2 | length 225.9
  Top Layer w6.16: R5.2@914.17,2070 914.17,2073.57 996.1,2155.49 J1.B5@996.1,2261.99
NetL2_2: L2.2 U5.5 | length 153
  Top Layer w6.16: U5.5@1725,1040.23 U5.5@1726.27,1041.49
  Top Layer w15: U5.5@1725,1035 U5.5@1725,1040.23 ; U5.5@1725.76,1042 1725.76,1059.49 1740.27,1074 1769.75,1074 ; 1802.9,1040.85 1802.9,1013.99 L2.2@1806.27,1010.63
  Top Layer w20: 1769.75,1074 1802.9,1040.85
NetL4_1: L4.1 R64.2 U28.B4 | length 321.4
  Top Layer w6.16: v2(871.19,1164.78) v2@871.42,1165
  Top Layer w10: v2@871.42,1165 895,1165 900,1170
  Bottom Layer w6.16: v3(975.94,1238.74) R64.2@1022.43,1238.74 1022.43,1435.04 L4.1@988.73,1468.74
  other v3: 975.94,1212.24
NetL4_2: L4.2 U28.E2 U28.E3 | length 313.6
  Bottom Layer w6.16: L4.2@776.13,1448.74 L4.2@839.7,1385.17
  Bottom Layer w10: L4.2@839.7,1385.17 U28.E2@839.7,1212.02 U28.E3@855.44,1212.02 855.44,1240.56 851,1245
NetL5_1: L5.1 R65.2 U29.B4 | length 339.5
  Top Layer w6.16: 1454.25,584.25 1484.75,614.75 v3(1484.75,658.22)
  Top Layer w10: v2(1380,584.25) 1454.25,584.25
  Bottom Layer w6.16: v3(1484.75,658.22) R65.2@1531.23,658.22 ; L5.1@1497.53,868.22 1497.53,783.69 L5.1@1531.23,749.99
  other v3: 1484.75,689.72
NetL5_2: L5.2 U29.E2 U29.E3 | length 341
  Bottom Layer w6.16: L5.2@1284.93,868.22 L5.2@1348.5,804.65
  Bottom Layer w10: L5.2@1348.5,804.65 U29.E2@1348.5,631.5 U29.E3@1364.25,631.5 1364.25,691.25 1366,693
NetL6_1: L6.1 R68.2 U30.B4 | length 343.4
  Top Layer w10: v2(1376.19,1162.76) 1397.24,1162.76 1400,1160
  Bottom Layer w6.16: v3(1484,1188) 1485.53,1189.53 1485.53,1205.24 1520.29,1240 R68.2@1530,1240 1530,1430.45 L6.1@1493.73,1466.73
  other v3: 1483.52,1165.76
NetL6_2: L6.2 U30.E2 U30.E3 | length 381.6
  Bottom Layer w6.16: L6.2@1281.13,1446.73 L6.2@1344.7,1383.16
  Bottom Layer w10: 1344.7,1306.25 U30.E2@1344.7,1210 U30.E3@1360.44,1210 1360.44,1306.25 1344.7,1322 L6.2@1344.7,1383.16
NetL7_1: L7.1 R69.2 U31.B4 | length 342.5
  Top Layer w6.16: v3@937.76,587.76 970.94,620.94
  Top Layer w10: v2(866.19,587.76) v3@937.76,587.76
  Bottom Layer w6.16: L7.1@983.73,871.73 1017.43,838.03 R69.2@1017.43,661.73
  other v3: 939.44,581.73 970.94,581.73
NetL7_2: L7.2 U31.E2 U31.E3 | length 305.2
  Bottom Layer w6.16: L7.2@771.13,871.73 L7.2@834.7,808.16
  Bottom Layer w10: L7.2@834.7,808.16 U31.E2@834.7,635 U31.E3@850.44,635 850.44,661.44
NetLED1_1: LED1.1 R10.2 | length 69.4
  Top Layer w6.16: LED1.1@1629.86,1889.16 1656.96,1862.07 R10.2@1688,1862.07
NetLED2_2: LED2.2 R12.2 | length 74.5
  Top Layer w6.16: R12.2@1412.04,1850 1445,1850 1453.88,1858.88 LED2.2@1482.82,1858.88
NetLED3_1: LED3.1 R27.2 | length 78.8
  Top Layer w6.16: LED3.1@1120.14,298.52 1161.49,298.52 R27.2@1187.96,325
NetLED5_2: LED5.2 R34.2 | length 75.5
  Top Layer w6.16: LED5.2@2439.86,951.48 2439.86,1000.87 R34.2@2458.3,1019.3
NetLED6_1: LED6.1 R35.2 | length 69.9
  Top Layer w6.16: R35.2@2510,1019.3 2520,1009.3 LED6.1@2520,953.5
NetQ1_1: Q1.1 Q1.2 Q1.5 Q1.6 Q3.1 Q3.2 Q3.5 Q3.6
NetQ1_3: Q1.3 Q3.3 R14.2 R15.2 | length 336
  Top Layer w6.16: Q3.3@1110.08,1752.4 1122.4,1752.4 1145,1775 1250.72,1775 1279.36,1746.36 v1(1279.36,1734.36) 1284.63,1734.36 1302.68,1752.4 Q1.3@1313.41,1752.4
  Bottom Layer w6.16: v1(1279.36,1734.36) R15.2@1305,1760 R14.2@1360.68,1760
NetQ2_1: Q2.1 Q2.2 Q2.5 Q2.6 Q4.1 Q4.2 Q4.5 Q4.6 R14.1 | length 47.4
  Bottom Layer w20: 1390,1725 1390,1730 R14.1@1420,1760
  other v1: 1390,1715
NetQ2_3: Q2.3 Q4.3 R13.1 R16.2 | length 285.2
  Top Layer w6.16: Q4.3@1516.75,1752.4 Q4.3@1517.75,1752.4 v1(1550.22,1752.4) ; v1(1686.61,1752.4) Q2.3@1720.08,1752.4
  03 w6.16: v1(1550.22,1752.4) v1(1686.61,1752.4)
  Bottom Layer w6.16: R13.1@1650,1755 R13.1@1652.5,1757.5 ; R13.1@1650,1760 1679.01,1760 v1(1686.61,1752.4) 1707.4,1752.4 R16.2@1720,1765
NetQ5_1: Q5.1 R28.1 | length 100.4
  Top Layer w6.16: Q5.1@1403.06,294.55 1474.64,294.55 R28.1@1495,314.91
NetQ5_3: Q5.3 R27.1 | length 93.3
  Top Layer w6.16: R27.1@1222.04,325 1305.52,325 Q5.3@1312.47,331.95
NetR1_2: R1.2 U2.4 | length 126.1
  Top Layer w6.16: R1.2@1752.48,1906.73 1733.74,1925.46 1733.74,1959.17 1774.07,1999.49 U2.4@1782.95,1999.49
NetR6_2: R6.2 R7.1 U2.7 | length 120.1
  Top Layer w10: R6.2@1807.48,1896.15 R7.1@1853.74,1896.15 1852.36,1897.53 U2.7@1852.36,1969.45
NetR8_2: R8.2 U2.9 | length 103.8
  Top Layer w6.16: R8.2@1900,1896.15 1900,1998.43 U2.9@1901.06,1999.49
NetR18_1: R18.1 SW2.2 | length 137.5
  Top Layer w6.16: v1(2636.01,805.11) 2650,819.1 2650,884.22 SW2.2@2650,904.22
  Bottom Layer w6.16: R18.1@2630,775 2630,799.1 v1(2636.01,805.11)
NetR19_2: R19.2 SW3.1 | length 73.2
  Top Layer w6.16: SW3.1@2162.59,664.78 SW3.1@2177.18,650.19 ; v1@2201.44,650.19 v1(2203.41,648.22)
  Bottom Layer w20: R19.2@2160,635.34 2192.34,635.34 2203.42,646.42 v1(2203.41,648.22)
  other v1: 2202.63,619.15
NetR36_2: R36.2 U23.17 | length 55.9
  Top Layer w6.16: U23.17@2244.45,1605.83 v1(2273.2,1605.83)
  Bottom Layer w6.16: v1(2273.2,1605.83) 2287.91,1605.83 R36.2@2296.74,1597
NetR41_2: R41.2 U23.16 | length 131.5
  Top Layer w6.16: U23.16@2244.45,1639.29 2262.91,1639.29 v1(2273.2,1629) ; v1@2274.69,1630.49 v1@2276.18,1629
  Bottom Layer w6.16: v1(2273.2,1629) 2331,1629 2347,1613 R41.2@2347,1597
NetR46_1: R46.1 U23.37 | length 167
  Top Layer w6.16: R46.1@2354.91,1053.38 2390.31,1088.78 2452.49,1088.78 2486.57,1122.86 U23.37@2486.57,1129.45
NetR47_1: R47.1 U23.38 | length 149.1
  Top Layer w6.16: R47.1@2406.61,1053.38 2430.27,1077.05 2474.8,1077.05 2520.04,1122.29 U23.38@2520.04,1129.45
NetR49_1: R49.1 U27.11 | length 58.8
  Top Layer w15: 600.06,1750.69 U27.11@619.35,1750.69
  Top Layer w20: R49.1@565,1740 589.37,1740 600.06,1750.69
NetR62_2: R62.2 U28.C5 | length 73.3
  Bottom Layer w6.16: U28.C5@886.94,1180.52 893.86,1180.52 930.04,1216.7 R62.2@945.23,1216.7
NetR63_2: R63.2 U29.C5 | length 73.3
  Bottom Layer w6.16: U29.C5@1395.75,600 1417.86,600 R63.2@1454.04,636.18
NetR66_2: R66.2 U30.C5 | length 79.4
  Bottom Layer w6.16: U30.C5@1391.94,1178.51 1415.55,1178.51 R66.2@1455,1217.96
NetR67_2: R67.2 U31.C5 | length 90.9
  Bottom Layer w6.16: U31.C5@881.94,603.51 934.18,603.51 940.23,609.56 R67.2@940.23,639.69
TCA_BQ25302_EN: R9.2 U26.3 | length 589.2
  Top Layer w10: U26.3@782.95,2064.77 827.58,2064.77 858.31,2034.04 858.31,1984.1 939.44,1902.97 1272.97,1902.97 R9.2@1275,1905
TCA_INT: R48.1 TP27.TP? U23.18 U26.11 | length 1994.6
  Top Layer w6.16: v1(2215.7,1572.36) U23.18@2244.45,1572.36
  Top Layer w10: 645,2013.3 647,2015.3 647,2039 653.69,2045.69 U26.11@672.12,2045.69
  Top Layer w20: TP27.TP?@640,1923.3 TP27.TP?@632.23,1915.53 632.23,1944.13 v1(620.51,1955.86) 620.51,1982.26 R48.1@617.23,1985.53 645,2013.3
  03 w5.61: v1(620.51,1955.86) 628.82,1947.55 890.05,1947.55 993.4,1844.2 1820.8,1844.2 1870,1795 1870,1742.13 1893.47,1718.66 2059.63,1718.66 2205.92,1572.36 v1(2215.7,1572.36)
TPS61023_EN: C18.1 R21.2 SW3.2 TP14.TP? U5.2 | length 975
  Top Layer w10: U5.2@1726.27,1099.76 1726.27,1115.63 1736.27,1125.63 v1(1764.86,1125.63) ; v1(2260.01,817.79) 2260.01,892.23 2261.01,893.22 v1(2261.01,981.34) 2261.01,1018.99 TP14.TP?@2260,1020
  03 w10: v1(1764.86,1125.63) 1880.48,1010 2041.93,1010 2073.15,1041.22 2147.67,1041.22 2207.54,981.34 v1(2261.01,981.34)
  Bottom Layer w10: v1(2260.01,817.79) 2260.01,797.68 2269.38,788.31 R21.2@2316.12,788.31 2316.12,823.44 C18.1@2327.68,835
TPS63806_EN: C16.2 R18.2 R20.1 U6.A1 | length 966.9
  Top Layer w10: U6.A1@1867.24,735.06 1870.06,735.06 v1(1888,753)
  Bottom Layer w10: v1(1888,753) 2094.17,546.83 2476.23,546.83 2574.4,645 C16.2@2580,645 R20.1@2630,645 R18.2@2630,715.68
TPS63806_FB: R25.1 R26.2 U6.D1 | length 152.6
  Top Layer w10: R25.1@1735,790 1756,811 R26.2@1790.96,811 1790.96,769.07 1820,740.03 U6.D1@1820,735.06
TPS63806_L1: L3.1 U6.B2 U6.B3 | length 144.6
  Top Layer w6.16: v3(1866,613) 1866,610.34 1870.44,605.9 1870.44,551.21 L3.1@1886.65,535
  Top Layer w10: U6.B2@1851.5,719.31 U6.B3@1851.5,703.56 1851.5,682.42 v3@1872.64,682.42
  other v3: 1881,613 1896,613 1911,613 1863,665 1882.78,665.26 1852.5,682.42 1873.65,682.42
TPS63806_L2: L3.2 U6.D2 U6.D3 | length 219.5
  Top Layer w6.16: v3(1790.73,614.33) 1790.73,537.62 L3.2@1793.35,535
  Top Layer w10: v3(1780.93,682.42) 1802.72,682.42 v3(1803.23,682.93) 1805.18,682.93 1820,697.75 U6.D3@1820,703.56 U6.D2@1820,719.31
  03 w5.61: v3(1780.93,682.42) 1780.93,664.32 1790.73,654.51 v3(1790.73,614.33)
  other v3: 1760.74,613.78 1775.59,613.91 1805,614 1780.93,667.13 1802.72,667.13
TPS63806_PG: R24.1 R28.2 TP19.TP? U6.E1 | length 703.2
  Top Layer w6.16: R28.2@1495,348.99 1495,445 TP19.TP?@1515,465 1598.64,465 v1(1600.58,466.94) ; R24.1@1720,735 R24.1@1720.06,735.06 ; v1(1745.57,735.81) 1744.82,735.06 R24.1@1720.06,735.06 ; U6.E1@1804.25,735.06 R24.1@1720.06,735.06
  03 w5.61: v1(1600.58,466.94) 1616.64,483 1704,483 1716,495 1716,710.17 1741.64,735.81 v1(1745.57,735.81)
TXB0104_B1: U23.28 U24.A1 | length 118.8
  Top Layer w6.16: U24.A1@2135,1260.31 2157.6,1237.72 U23.28@2244.45,1237.72
TXB0104_B2: U23.27 U24.B1 | length 113.1
  Top Layer w6.16: U24.B1@2135,1280 2143.82,1271.18 U23.27@2244.45,1271.18
TXB0104_B3: U23.26 U24.C1 | length 111.5
  Top Layer w6.16: U24.C1@2135,1299.69 2139.96,1304.65 U23.26@2244.45,1304.65
TXB0104_B4: U23.25 U24.D1 | length 117.2
  Top Layer w6.16: U24.D1@2135,1319.37 2153.74,1338.11 U23.25@2244.45,1338.11